# Altium PCB 主控板20160428.PcbDoc (continued)
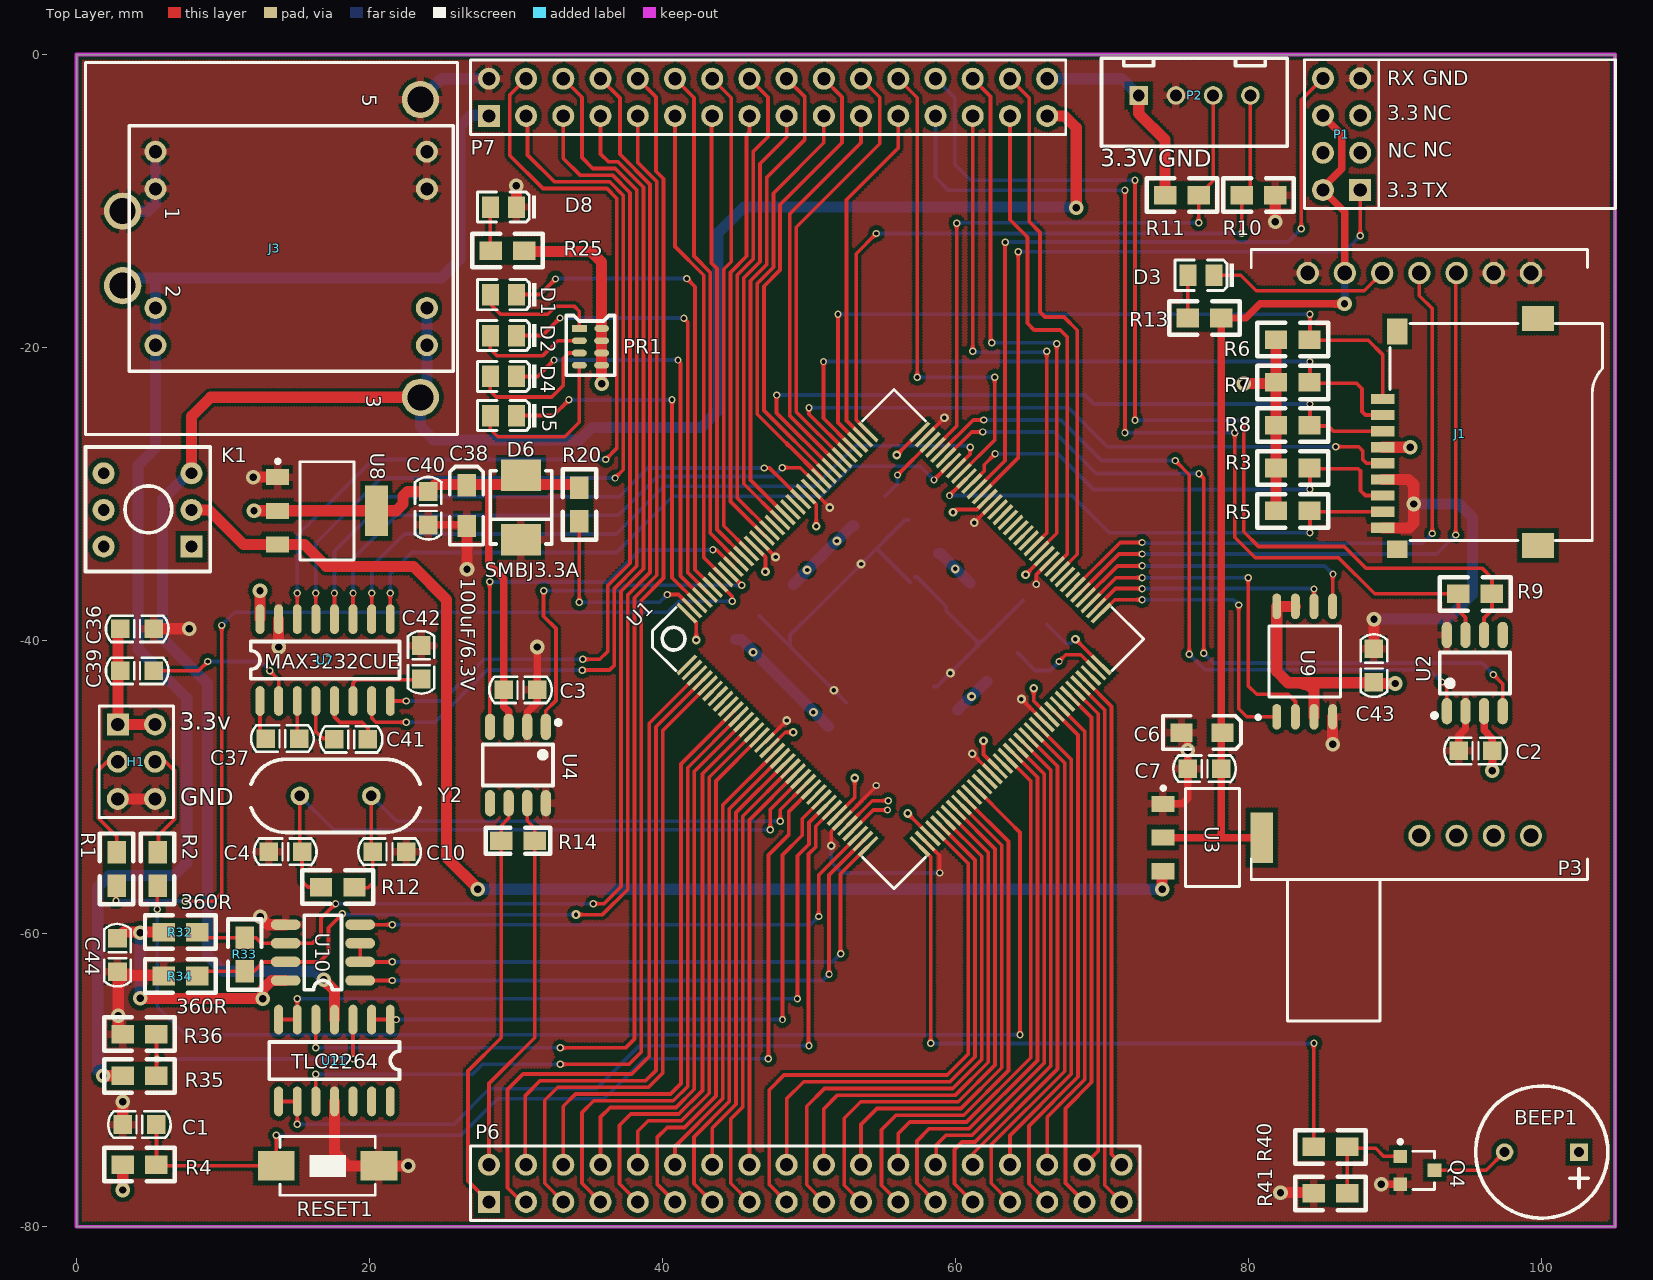
[diagram p0: Top Layer view]
## Nets (pads, with @x,y where several pads share a name; then routed paths per layer and width w, separated by ;. In a path a pad name is that pad's centre, name@x,y a point inside that pad or via, vN(x,y) a via of type N, cw(c..) or ccw(c..) an arc to the next point about the centre after c; other vN are vias at no path point) (continued)
  Bottom Layer w0.254: P7.25 58.623,-8.382 59.512,-9.271 v1(71.552,-9.271) ; v1@71.526,-25.832 v1(71.552,-25.806) v1(79.045,-25.806)
CAN_L: P7.26 R9.1 U2.6 | length 72.7
  Top Layer w0.254: v1(72.238,-24.968) v1(72.238,-8.585) ; v1(79.654,-24.968) 79.654,-32.563 80.67,-33.579 86.512,-33.579 87.986,-35.052 95.91,-35.052 96.596,-35.738 R9.1 96.596,-37.922 96.063,-38.456 U2.6@96.063,-39.385
  Bottom Layer w0.254: P7.26 59.944,-2.972 59.944,-7.518 61.011,-8.585 v1(72.238,-8.585) ; v1(72.238,-24.968) v1(79.654,-24.968)
CAN_RX: U1.103 U2.4 | length 55
  Top Layer w0.254: U1.103 61.091,-25.756 v1(61.849,-25.756) ; v1(76.606,-28.6) 76.937,-28.931 v1(76.937,-40.869) ; v1(96.698,-42.316) 97.333,-42.951 U2.4@97.333,-45.085
  Bottom Layer w0.254: v1(61.849,-25.756) 66.751,-25.756 69.596,-28.6 v1(76.606,-28.6) ; v1(76.937,-40.869) 77.597,-41.529 95.91,-41.529 v1(96.698,-42.316)
CAN_TX: U1.104 U2.1 | length 52.1
  Top Layer w0.254: U1.104 61.197,-24.943 v1(61.925,-24.943) ; v1(74.981,-27.711) 75.946,-28.677 v1(75.946,-40.919) ; v1(93.193,-42.824) 93.523,-43.155 U2.1@93.523,-45.085
  Bottom Layer w0.254: v1(61.925,-24.943) 67.183,-24.943 69.469,-27.229 69.952,-27.711 v1(74.981,-27.711) ; v1(75.946,-40.919) 77.013,-41.986 92.354,-41.986 v1(93.193,-42.824)
CLK: P6.27 U1.57 | length 35.9
  Top Layer w0.254: P6.27 59.919,-77.064 59.919,-74.727 60.427,-74.219 61.311,-74.219 66.493,-69.037 66.493,-48.828 U1.57
DATA: P6.26 U1.56 | length 33.4
  Top Layer w0.254: P6.26 58.674,-75.717 P6.26@58.674,-75.692 ; P6.26@58.623,-75.743 P6.26@58.674,-75.692 ; U1.56 66.036,-49.078 66.036,-68.847 61.122,-73.762 59.334,-73.762 58.674,-74.422 P6.26@58.674,-75.692
DJ1_KC1: P6.6 U1.10 | length 39.5
  Top Layer w0.254: P6.6 33.223,-71.78 34.061,-70.942 40.538,-70.942 41.25,-70.231 41.25,-48.426 U1.10
DJ1_KC2: P7.14 U1.132 | length 33.7
  Top Layer w0.254: P7.14 44.679,-2.946 44.679,-14.148 44.171,-14.656 44.171,-32.162 U1.132
DJ1_KC3: P7.13 U1.133 | length 31
  Top Layer w0.254: P7.13 43.332,-4.242 43.332,-14.224 43.713,-14.605 43.713,-32.412 U1.133
DJ2_KC1: P6.7 U1.11 | length 41.2
  Top Layer w0.254: P6.7 34.493,-77.038 34.493,-72.212 35.306,-71.399 40.728,-71.399 41.707,-70.42 41.707,-48.675 U1.11
DJ2_KC2: P7.16 U1.128 | length 33.1
  Top Layer w0.254: P7.16 47.193,-2.921 47.193,-5.613 46.189,-6.618 46.189,-13.956 45.085,-15.06 45.085,-30.249 U1.128
DJ2_KC3: P7.15 U1.129 | length 30.1
  Top Layer w0.254: P7.15 45.923,-5.283 45.731,-5.475 45.731,-13.767 44.628,-14.87 44.628,-30.498 U1.129
DJ3_KC1: P6.8 U1.12 | length 36.9
  Top Layer w0.254: P6.8 35.763,-72.517 36.424,-71.857 40.917,-71.857 42.164,-70.61 42.164,-48.925 U1.12
DJ3_KC2: P7.12 U1.134 | length 34.7
  Top Layer w0.254: P7.12 42.139,-2.946 42.139,-13.755 43.256,-14.873 43.256,-32.662 U1.134
DJ3_KC3: P7.11 U1.137 | length 32.8
  Top Layer w0.254: P7.11 40.843,-13.106 42.799,-15.062 42.799,-34.326 U1.137
DJ4_KC1: P6.9 U1.13 | length 38.5
  Top Layer w0.254: P6.9 37.059,-77.064 37.059,-73.076 37.821,-72.314 41.107,-72.314 42.723,-70.698 42.723,-49.08 42.717,-49.08 U1.13
DJ4_KC2: P7.18 U1.125 | length 32.8
  Top Layer w0.254: U1.125 47.56,-30.602 45.999,-29.042 45.999,-15.439 47.103,-14.335 47.103,-8.396 49.708,-5.791 49.708,-2.896 P7.18
DJ4_KC3: P7.17 U1.126 | length 29.8
  Top Layer w0.254: U1.126 45.542,-29.291 45.542,-15.249 46.646,-14.146 46.646,-7.456 48.463,-5.639 P7.17
DWQ1: P7.9 U11.5 | length 88.1
  Top Layer w0.254: v1(16.332,-67.793) U11.5 ; v1(33.02,-67.793) 37.465,-67.793 38.079,-67.179 38.079,-37.068 39.603,-35.544 39.603,-8.672 38.303,-7.373 P7.9
  Bottom Layer w0.254: v1(16.332,-67.793) v1(33.02,-67.793)
DWQ1_ADC: U1.28 U11.6 U11.7 | length 50.9
  Top Layer w0.254: U11.7 U11.6 v1(15.062,-64.44) ; v1(49.2,-64.44) 49.2,-54.684 49.991,-53.893 49.991,-52.412 U1.28
  Bottom Layer w0.254: v1(15.062,-64.44) v1(49.2,-64.44)
DWQ2: P7.10 U11.10 | length 92.5
  Top Layer w0.254: U11.10 v1(16.332,-69.596) ; v1(33.02,-68.91) 37.698,-68.91 38.536,-68.072 38.536,-37.258 40.06,-35.734 40.06,-8.483 39.548,-7.971 39.548,-2.896 P7.10
  Bottom Layer w0.254: v1(16.332,-69.596) 27.026,-69.596 27.711,-68.91 v1(33.02,-68.91)
DWQ2_ADC: U1.29 U11.8 U11.9 | length 56.7
  Top Layer w0.254: U11.8 U11.9 v1(15.062,-73) ; v1@49.962,-67.64 49.962,-54.569 50.448,-54.082 50.448,-52.662 U1.29
  Bottom Layer w0.254: v1(15.062,-73) 25.756,-73 28.169,-70.587 35.484,-70.587 38.43,-67.64 v1(49.987,-67.64)
F_CS: U1.73 U9.1 | length 19.8
  Top Layer w0.254: U1.73 70.849,-37.211 v1@72.669,-37.211 ; v1(79.324,-37.567) 79.324,-44.653 79.866,-45.195 U9.1
  Bottom Layer w0.254: v1@72.669,-37.211 78.969,-37.211 v1(79.324,-37.567)
  other v1: 72.72,-37.211
GND: C1.2 C2.2 C3.2 C4.1 C6.2 C7.1 C10.1 C13.2 C14.2 C19.1 C20.1 C21.1 C22.1 C23.1 C24.1 C25.1 C26.1 C27.1 C28.1 C29.1 C30.1 C36.1 C38.2 C40.1 C42.2 C43.2 C44.2 D6.2 D8.K H1.5 H1.6 J1.6 J1.9 J3.1 J3.5 P1.4 P2.2 P3.1 P3.6 P3.7 P7.2 Q4.1 R10.1 R34.1 R36.1 R41.1 RESET1.2 U1.16 U1.31 U1.38 U1.51 U1.61 U1.83 U1.94 U1.107 U1.120 U1.130 U2.2 U2.8 U3.1 U4.2 U4.8 U7.15 U8.1 U9.4 U10.5 U11.11 | length 165.5
  Top Layer w0.254: U1.130 v3(47.712,-34.29) v3@47.727,-34.29 ; U1.16 v3(48.47,-45.448) ; U1.120 v3(51.405,-30.912) v3@51.41,-30.912 ; v3@51.511,-54.026 v3(51.511,-54) 51.511,-53.013 U1.31 54.585,-49.94 v1(54.585,-49.886) ; U1.38 58.903,-54.673 v1(58.903,-55.855) ; U1.107 v3(59.233,-24.785) ; v3(61.138,-47.716) U1.51 ; v3(61.265,-31.946) U1.94 ; v3(64.486,-43.993) U1.61 ; v1(65.507,-36.144) 65.507,-35.482 U1.83
  Top Layer w0.508: C40.1 26.619,-32.106 C38.2@26.645,-32.131 ; U4.2 30.759,-44.907 31.445,-44.221 C3.2 v2(31.445,-40.437) ; U3.1 75.477,-51.142 75.844,-50.775 C7.1 v2(75.844,-47.473) 75.844,-46.787 C6.2@75.336,-46.279 ; v2(89.042,-77.099) Q4.1 ; C2.2 94.336,-46.482 94.793,-46.025 U2.2@94.793,-45.085
  Top Layer w0.762: H1.5 H1.6 ; R36.1@3.124,-66.802 2.845,-66.523 v2(2.845,-65.608) 2.845,-63.297 3.124,-63.017 2.946,-62.84 R34.1@5.918,-62.84 ; C1.2 v2(3.15,-71.476) ; C36.1 v2(7.696,-39.192) ; v2(12.054,-28.84) U8.1 ; v2(12.548,-58.852) 13.081,-59.385 U10.5 ; v2(13.792,-40.437) U7.15 ; U11.11 17.602,-74.93 18.517,-75.844 RESET1.2 v2(22.631,-75.844) ; v2@26.645,-35.052 C38.2@26.645,-32.156 ; D8.K v2(30.016,-8.953) ; v2(81.813,-11.405) R10.1 ; v2(82.169,-77.673) 84.404,-77.673 R41.1@84.379,-77.699 ; v2(85.725,-47.066) U9.4 ; C43.2 v2(88.544,-38.532) ; J1.9 90.938,-32.303 91.262,-31.979 v2(91.262,-30.67) 91.262,-29.362 90.902,-29.003 J1.6
  Bottom Layer w0.254: C30.1@46.609,-38.303 v3(51.689,-43.383) C21.1@52.553,-44.247 ; C19.1@48.692,-40.361 48.692,-39.624 C29.1 C28.1 v3(53.548,-34.768) 56.55,-31.766 C14.2 ; v3(51.511,-54) 51.511,-55.118 52.248,-55.855 v1(58.903,-55.855) ; C27.1 C26.1@56.883,-36.005 ; C26.1 57.353,-35.662 C25.1 59.36,-37.973 61.62,-40.234 ; C22.1 58.725,-43.129 v3(59.639,-42.215) 61.62,-40.234 ; C24.1 61.62,-40.234
  Bottom Layer w0.762: J3.1@3.15,-10.693 4.877,-10.693 5.385,-10.185 5.385,-9.169 J3.1@5.385,-6.629 ; J3.5@23.47,-3.073 24.892,-1.651 P7.2 ; v2(88.544,-38.532) 93.574,-38.532 95.275,-36.83 95.275,-31.598 94.348,-30.67 v2(91.262,-30.67)
  other v2: 26.645,-35.128
INPUT_1: P6.3 U1.3 | length 46.3
  Top Layer w0.254: P6.3 30.378,-78.308 29.413,-77.343 29.413,-70.637 30.48,-69.571 37.897,-69.571 39.091,-68.377 39.091,-45.635 U1.3
INPUT_2: P6.4 U1.4 | length 42.3
  Top Layer w0.254: P6.4 30.632,-75.717 30.632,-71.044 31.648,-70.028 38.848,-70.028 39.548,-69.328 39.548,-45.885 U1.4
INPUT_3: P6.5 U1.5 | length 44
  Top Layer w0.254: P6.5 31.953,-77.038 31.953,-71.374 32.842,-70.485 39.038,-70.485 40.005,-69.518 40.005,-46.135 U1.5
INPUT_4: P6.10 U1.14 | length 34.1
  Top Layer w0.254: P6.10 38.303,-73.482 39.014,-72.771 41.296,-72.771 43.18,-70.887 43.18,-49.324 U1.14
INPUT_5: P6.11 U1.15 | length 35.8
  Top Layer w0.254: P6.11 39.624,-77.089 39.624,-73.914 40.31,-73.228 41.485,-73.228 43.637,-71.076 43.637,-49.573 U1.15
INPUT_6: P6.12 U1.18 | length 30.9
  Top Layer w0.254: P6.12 40.843,-74.517 44.094,-71.266 44.094,-51.238 U1.18
INPUT_7: P6.13 U1.19 | length 33.2
  Top Layer w0.254: P6.13 42.139,-77.064 42.139,-73.868 44.552,-71.455 44.552,-51.487 U1.19
INPUT_8: P6.14 U1.20 | length 29.5
  Top Layer w0.254: P6.14 43.383,-73.27 45.009,-71.644 45.009,-51.737 U1.20
INPUT_9: P6.15 U1.21 | length 31.8
  Top Layer w0.254: P6.15 44.653,-77.038 44.653,-72.647 45.466,-71.834 45.466,-51.987 U1.21
INPUT_10: P6.16 U1.22 | length 28
  Top Layer w0.254: P6.16 45.923,-52.237 U1.22
INPUT_11: P6.17 U1.40 | length 38.9
  Top Layer w0.254: P6.17 47.269,-77.114 47.269,-70.663 48.285,-69.647 59.417,-69.647 60.858,-68.206 60.858,-55.214 U1.40
INPUT_12: P6.18 U1.41 | length 35.3
  Top Layer w0.254: P6.18 48.463,-71.272 49.632,-70.104 59.607,-70.104 61.316,-68.395 61.316,-54.964 U1.41
INPUT_13: P6.19 U1.42 | length 37.6
  Top Layer w0.254: P6.19 49.835,-77.14 49.835,-71.78 51.054,-70.561 59.796,-70.561 61.773,-68.584 61.773,-54.714 U1.42
INPUT_14: P6.20 U1.43 | length 34.3
  Top Layer w0.254: P6.20 51.003,-71.958 51.943,-71.018 59.985,-71.018 62.23,-68.774 62.23,-54.465 U1.43
INPUT_15: U1.50
INPUT_16: U1.53
INPUT_17: P6.24 U1.54 | length 34.4
  Top Layer w0.254: P6.24 56.083,-73.635 56.871,-72.847 60.743,-72.847 65.122,-68.469 65.122,-49.578 U1.54
INPUT_18: P6.25 U1.55 | length 36.9
  Top Layer w0.254: P6.25 57.353,-77.038 57.353,-74.143 58.191,-73.304 60.932,-73.304 65.579,-68.658 65.579,-49.328 U1.55
INPUT_19: P6.30 U1.60 | length 32.5
  Top Layer w0.254: P6.30 63.703,-73.766 67.894,-69.575 67.894,-48.108 U1.60
INPUT_20: P6.31 U1.63 | length 36
  Top Layer w0.254: P6.31 64.999,-77.064 64.999,-73.118 68.351,-69.765 68.351,-46.444 U1.63
INPUT_21: P6.32 U1.64 | length 33
  Top Layer w0.254: P6.32 66.243,-72.52 68.809,-69.954 68.809,-46.194 U1.64
INPUT_22: P6.33 U1.66 | length 36.4
  Top Layer w0.254: U1.66 69.266,-45.237 69.266,-70.144 67.488,-71.922 67.488,-77.013 P6.33
INPUT_23: P6.34 U1.67 | length 33.4
  Top Layer w0.254: U1.67 69.723,-44.987 69.723,-70.333 69.723,-74.828 P6.34
INPUT_24: P6.35 U1.68 | length 36.4
  Top Layer w0.254: U1.68 70.18,-44.737 70.18,-77.165 P6.35
LDAC: P6.29 U1.59 | length 35.5
  Top Layer w0.254: P6.29 62.433,-77.038 62.433,-74.39 67.437,-69.386 67.437,-48.358 U1.59
LED1: D1.K U1.139 | length 33.4
  Top Layer w0.254: D1.K@30.531,-16.383 31.623,-16.383 v1(32.69,-15.316) ; v1(41.656,-15.291) 42.215,-15.85 42.215,-35.156 U1.139
  Bottom Layer w0.254: v1(32.69,-15.316) 32.728,-15.278 v1@41.656,-15.278
LED2: D2.K U1.140 | length 30.8
  Top Layer w0.254: D2.K@30.531,-19.177 31.801,-19.177 v1(32.995,-17.983) ; v1(41.453,-18.009) 41.707,-18.263 41.707,-35.356 U1.140
  Bottom Layer w0.254: v1(32.995,-17.983) v1@41.453,-17.983
LED3: D4.K U1.141 | length 27.9
  Top Layer w0.254: D4.K@30.531,-21.971 31.471,-21.971 v1(32.588,-20.853) ; v1(41.046,-20.853) 41.224,-21.031 41.224,-35.58 U1.141
  Bottom Layer w0.254: v1(32.588,-20.853) 32.601,-20.841 v1@41.046,-20.841
LED4: D5.K U1.142 | length 25.1
  Top Layer w0.254: D5.K@30.531,-24.638 32.537,-24.638 v1(33.604,-23.571) ; v1(40.64,-23.571) 40.64,-35.703 U1.142
  Bottom Layer w0.254: v1(33.604,-23.571) v1(40.64,-23.571)
LOAD: P6.28 U1.58 | length 32.4
  Top Layer w0.254: P6.28 61.163,-75.013 66.95,-69.226 66.95,-48.578 U1.58
NetBEEP1_2: BEEP1.2 Q4.3 | length 5.3
  Top Layer w0.254: Q4.3 96.215,-76.149 BEEP1.2
NetC4_2: C4.2 R12.2 U1.23 Y2.2 | length 44.7
  Top Layer w0.254: Y2.2 15.24,-54.254 C4.2 15.392,-56.439 15.773,-56.82 R12.2 ; v1@47.346,-52.883 47.346,-51.522 U1.23
  Bottom Layer w0.254: Y2.2 17.551,-52.908 v1(47.346,-52.908)
NetC10_2: C10.2 R12.1 U1.24 Y2.1 | length 39.2
  Top Layer w0.254: R12.1@18.999,-56.871 19.888,-56.871 20.218,-56.54 C10.2 20.12,-54.308 Y2.1 ; v1(48.031,-52.324) 48.031,-51.543 U1.24
  Bottom Layer w0.254: Y2.1 21.847,-52.324 v1(48.031,-52.324)
NetC13_1: C13.1 U1.71 | length 6.7
  Top Layer w0.254: v1(67.056,-41.427) 67.513,-40.97 68.535,-40.97 U1.71
  Bottom Layer w0.254: C13.1@64.211,-40.818 65.43,-42.037 66.446,-42.037 v1(67.056,-41.427)
NetC14_1: C14.1 U1.106 | length 5
  Top Layer w0.254: v1(56.032,-28.693) U1.106
  Bottom Layer w0.254: C14.1 56.032,-29.286 v1(56.032,-28.693)
NetC37_1: C37.1 U7.1 | length 3.2
  Top Layer w0.254: U7.1 12.522,-46.761 C37.1@12.903,-47.142
NetC37_2: C37.2 U7.3 | length 3.1
  Top Layer w0.254: U7.3 15.062,-47.041 C37.2@15.215,-47.193
NetC39_1: C39.1 U7.2 | length 10.7
  Top Layer w0.254: C39.1 8.331,-42.062 v1(8.966,-41.427) ; v1(13.183,-42.062) 13.792,-42.672 U7.2
  Bottom Layer w0.254: v1(8.966,-41.427) 12.548,-41.427 v1(13.183,-42.062)
NetC41_1: C41.1 U7.4 | length 3.6
  Top Layer w0.254: U7.4 16.332,-46.203 16.815,-46.685 17.551,-46.685 C41.1
NetC41_2: C41.2 U7.5 | length 4.5
  Top Layer w0.254: U7.5 17.602,-45.217 17.978,-45.593 19.507,-45.593 19.888,-45.974 C41.2
NetC42_1: C42.1 U7.6 | length 6
  Top Layer w0.254: U7.6 18.872,-42.901 19.101,-42.672 C42.1@23.52,-42.672
NetD1_A: D1.A PR1.1 | length 8.6
  Top Layer w0.254: D1.A 28.245,-17.043 28.931,-17.729 32.156,-17.729 32.715,-17.17 33.96,-17.17 34.315,-17.526 PR1.1
NetD2_A: D2.A PR1.2 | length 7.6
  Top Layer w0.254: D2.A 28.245,-20.117 28.677,-20.549 31.826,-20.549 32.842,-19.533 PR1.2
NetD3_A: D3.A R13.2 | length 2.9
  Top Layer w0.254: R13.2 D3.A
NetD4_A: D4.A PR1.3 | length 9.6
  Top Layer w0.254: D4.A 28.245,-22.962 28.651,-23.368 32.436,-23.368 33.223,-22.581 33.223,-20.726 33.579,-20.371 PR1.3
NetD5_A: D5.A PR1.4 | length 11.5
  Top Layer w0.254: D5.A 28.245,-25.578 28.753,-26.086 33.325,-26.086 34.315,-25.095 PR1.4
NetD8_A: D8.A R25.2 | length 3
  Top Layer w0.254: D8.A 28.237,-13.353 R25.2
NetH1_3: H1.3 R1.2 | length 7.7
  Top Layer w0.254: R1.2 2.743,-53.365 1.473,-52.095 1.473,-48.87 2.083,-48.26 H1.3
NetH1_4: H1.4 R2.1 | length 7.6
  Top Layer w0.254: H1.4 6.071,-48.26 6.68,-48.87 6.68,-52.197 5.588,-53.289 R2.1@5.588,-54.407
NetK1_2: K1.2 U3.3 U8.3 | length 88.7
  Top Layer w0.762: K1.2@7.737,-31.039 K1.2@7.849,-31.039 ; K1.2 9.032,-31.079 11.393,-33.44 U8.3 13.719,-33.45 15.545,-33.45 17.046,-34.95 22.987,-34.95 25.248,-37.211 25.248,-54.788 27.381,-56.921 v2(27.381,-56.972) ; v2(74.092,-56.972) 74.092,-55.796 U3.3
  Bottom Layer w0.762: v2(27.381,-56.972) v2(74.092,-56.972)
NetQ4_2: Q4.2 R40.2 R41.2 | length 7.1
  Top Layer w0.254: R41.2 R40.2 86.817,-74.651 88.671,-74.651 89.22,-75.199 Q4.2
NetR20_1: R20.1 U1.143 | length 13.8
  Top Layer w0.254: v1(34.315,-37.389) R20.1 ; v1(40.31,-36.855) 41.085,-36.855 U1.143
  Bottom Layer w0.254: v1(34.315,-37.389) 39.776,-37.389 v1(40.31,-36.855)
NetR35_1: R35.1 R36.2 U11.3 | length 19
  Top Layer w0.254: R36.2 5.461,-66.878 R35.1@5.461,-69.757 ; v1(18.872,-68.555) U11.3
  Bottom Layer w0.254: v1(5.486,-68.555) v1(18.872,-68.555)
PA0_RS485_TX1: U1.34 U10.4 | length 38.1
  Top Layer w0.254: U10.4 v1(21.539,-59.385) ; v1(50.648,-58.826) 50.648,-55.998 U1.34
  Bottom Layer w0.254: v1(21.539,-59.385) 50.089,-59.385 v1(50.648,-58.826)
PA1_RS485_RX1: U1.35 U10.1 | length 42.2
  Top Layer w0.254: U10.1 v1(21.539,-63.195) ; v1(51.359,-62.763) 51.359,-55.994 U1.35
  Bottom Layer w0.254: v1(21.539,-63.195) 50.927,-63.195 v1(51.359,-62.763)
PA2_RS485_RE1: U1.36 U10.2 U10.3 | length 42.4
  Top Layer w0.254: U10.3 U10.2 v1(21.539,-61.925) ; v1(52.146,-61.366) 52.146,-55.914 U1.36
  Bottom Layer w0.254: v1(21.539,-61.925) 51.587,-61.925 v1(52.146,-61.366)
PA9_U1_TX: U1.101 U7.10 | length 49.7
  Top Layer w0.254: U7.10 v1(20.142,-36.754) ; U1.101 60.985,-27.275 v1(60.985,-26.797)
  Bottom Layer w0.254: v1(20.142,-36.754) 20.142,-34.932 22.359,-32.715 36.83,-32.715 40.081,-29.464 50.394,-29.464 53.157,-26.7 60.889,-26.7 v1(60.985,-26.797)
PA10_U1_RX: U1.102 U7.9 | length 45.3
  Top Layer w0.254: U7.9 v1(21.412,-36.754) ; v1(58.522,-29.032) U1.102
  Bottom Layer w0.254: v1(21.412,-36.754) 21.412,-35.458 22.885,-33.985 36.855,-33.985 40.691,-30.15 50.825,-30.15 52.883,-28.092 57.582,-28.092 v1(58.522,-29.032)
PA13-JTMS: P2.3 R11.2 U1.105 | length 41.5
  Top Layer w0.254: U1.105 60.071,-25.361 v1(60.071,-11.506) ; v1(76.581,-11.481) R11.2 77.572,-8.611 P2.3
  Bottom Layer w0.254: v1(60.071,-11.506) 60.096,-11.481 v1(76.581,-11.481)
PA14-JTCK: P2.4 R10.2 U1.109 | length 49
  Top Layer w0.254: U1.109 53.213,-24.941 53.213,-13.589 v1(54.585,-12.217) ; v1(79.527,-12.217) R10.2 80.112,-9.017 P2.4
  Bottom Layer w0.254: v1(54.585,-12.217) v1(79.527,-12.217)
PC6_U6_TX: P1.1 U1.96 | length 44.5
  Top Layer w0.254: U1.96 64.262,-27.534 v1(64.262,-13.462) ; v1(87.605,-12.37) P1.1
  Bottom Layer w0.254: v1(64.262,-13.462) 86.512,-13.462 v1(87.605,-12.37)
PC7_U6_RX: P1.8 U1.97 | length 49.2
  Top Layer w0.254: U1.97 63.373,-27.716 v1@63.373,-12.7 ; v1(83.591,-11.887) 83.591,-3.099 P1.8
  Bottom Layer w0.254: v1(63.373,-12.802) 82.677,-12.802 v1(83.591,-11.887)
PC8_SDIO_0: J1.7 R3.1 U1.98 | length 33.1
  Top Layer w0.254: U1.98 61.951,-28.432 61.951,-27.991 v1(62.687,-27.254) ; v1(84.176,-29.667) 84.176,-28.27 87.478,-28.27 87.63,-28.423 87.63,-29.769 87.964,-30.103 J1.7
  Bottom Layer w0.254: v1(62.687,-27.254) 66.98,-27.254 69.414,-29.689 84.154,-29.689 v1(84.176,-29.667)
PC9_SDIO_1: J1.8 R5.1 U1.99 | length 33.7
  Top Layer w0.254: v1(59.576,-30.099) U1.99 ; v1(84.176,-32.639) 84.176,-31.191 84.187,-31.203 J1.8
  Bottom Layer w0.254: v1(59.576,-30.099) 67.945,-30.099 70.485,-32.639 v1(84.176,-32.639)
PC10_SDIO_2: J1.1 R6.1 U1.111 | length 51.7
  Top Layer w0.254: v1(51.968,-17.729) 51.968,-25.111 U1.111 ; v1(84.176,-17.729) 84.176,-19.507 88.163,-19.507 89.138,-20.482 J1.1
  Bottom Layer w0.254: v1(51.968,-17.729) 68.758,-17.729 v1(84.176,-17.729)
PC11_SDIO_3: J1.2 R7.1 U1.112 | length 48.1
  Top Layer w0.254: v1(50.978,-20.955) 50.978,-24.828 U1.112 ; v1(84.176,-20.955) 84.176,-22.428 87.351,-22.428 87.732,-22.809 87.732,-24.359 87.976,-24.603 J1.2
  Bottom Layer w0.254: v1(50.978,-20.955) 69.139,-20.955 v1(84.176,-20.955)
PC12_SDIO_CK: J1.5 U1.113 | length 45.2
  Top Layer w0.254: v1(49.987,-24.105) 49.987,-24.544 U1.113 ; v1(85.928,-26.772) 87.503,-26.772 87.782,-27.051 87.782,-27.635 88.05,-27.903 J1.5
  Bottom Layer w0.254: v1(49.987,-24.105) 67.691,-24.105 70.358,-26.772 v1(85.928,-26.772)
PD2_SDIO_CMD: J1.3 R8.1 U1.116 | length 49.8
  Top Layer w0.254: v1(47.777,-23.241) 47.777,-24.456 U1.116 ; v1(84.176,-23.851) 84.176,-25.349 85.42,-25.349 85.774,-25.703 J1.3
  Bottom Layer w0.254: v1(47.777,-23.241) 68.834,-23.241 69.444,-23.851 v1(84.176,-23.851)
PD5_U2_TX: U1.119 U7.11 | length 38.8
  Top Layer w0.254: U7.11 v1(18.872,-36.754) ; v1(48.158,-28.194) 49.394,-28.194 U1.119
  Bottom Layer w0.254: v1(18.872,-36.754) 18.872,-34.406 21.833,-31.445 36.982,-31.445 39.628,-28.8 47.553,-28.8 v1(48.158,-28.194)
PD6_U2_RX: U1.122 U7.12 | length 39.7
  Top Layer w0.254: U7.12 v1(17.602,-36.754) ; v1(46.939,-28.219) 47.299,-28.219 48.209,-29.13 U1.122
  Bottom Layer w0.254: v1(17.602,-36.754) 17.602,-33.88 21.307,-30.175 37.033,-30.175 38.989,-28.219 v1(46.939,-28.219)
POWER_ADC: U1.27 U11.1 U11.2 | length 44.2
  Top Layer w0.254: U11.2 U11.1 v1(21.819,-65.862) ; v1(48.184,-65.862) 48.184,-54.635 49.534,-53.285 49.534,-52.162 U1.27
  Bottom Layer w0.254: v1(21.819,-65.862) v1(48.184,-65.862)
PWM1: P7.30 U1.81 | length 36.8
  Top Layer w0.254: P7.30 65.024,-2.972 65.024,-11.405 65.761,-12.141 65.761,-17.577 66.091,-17.907 67.386,-17.907 68.301,-18.821 68.301,-34.102 U1.81
PWM2: P7.29 U1.82 | length 33.8
  Top Layer w0.254: P7.29 63.703,-11.278 64.897,-12.471 64.897,-18.339 65.354,-18.796 67.132,-18.796 67.615,-19.279 67.615,-34.081 U1.82
PWM3: P7.28 U1.85 | length 37.8
  Top Layer w0.254: P7.28 62.382,-2.87 v1@62.382,-19.736 ; U1.85 66.904,-32.671 v1(66.904,-19.736)
  Bottom Layer w0.254: v1@62.382,-19.736 v1(62.455,-19.664) 66.831,-19.664 v1(66.904,-19.736)
PWM4: P7.27 U1.86 | length 34.8
  Top Layer w0.254: v1(61.163,-20.244) P7.27 ; U1.86 66.218,-32.65 v1(66.218,-20.244)
  Bottom Layer w0.254: v1(61.163,-20.244) 61.235,-20.316 66.146,-20.316 v1(66.218,-20.244)
QYG_KC1: P6.36 U1.69 | length 34.1
  Top Layer w0.254: U1.69 70.637,-44.487 70.637,-75.057 71.323,-75.743 P6.36
RESET: C1.1 R4.1 RESET1.1 U1.25 | length 68.4
  Top Layer w0.254: C1.1@5.461,-73.076 5.461,-75.819 5.486,-75.844 RESET1.1 v1(13.64,-73.762) ; C1.1@5.461,-72.72 C1.1@5.461,-72.695 ; v1@47.223,-68.529 47.223,-54.631 48.616,-53.238 48.616,-51.666 U1.25
  Bottom Layer w0.254: v1(13.64,-73.762) 26.238,-73.762 28.727,-71.272 36.017,-71.272 38.76,-68.529 v1(47.219,-68.529)
RS485_1A: P7.7 R32.1 R33.1 U10.6 | length 86.3
  Top Layer w0.254: R32.1@8.255,-59.944 8.585,-60.274 R33.1 12.243,-60.274 12.624,-60.655 U10.6 16.104,-60.655 16.688,-60.071 16.688,-58.953 v1(17.678,-57.963) ; v1(35.255,-57.963) 35.992,-57.963 37.164,-56.79 37.164,-36.623 38.688,-35.099 38.688,-9.051 36.953,-7.315 36.297,-7.315 35.763,-6.782 P7.7
  Bottom Layer w0.254: v1(17.678,-57.963) v1(35.255,-57.963)
RS485_1B: P7.8 R33.2 R34.2 U10.7 | length 90.3
  Top Layer w0.254: R34.2 8.56,-62.56 R33.2 12.116,-62.56 12.751,-61.925 U10.7 16.586,-61.925 17.196,-61.316 17.196,-59.588 v1(18.136,-58.649) ; v3(34.087,-58.699) 35.902,-58.699 37.621,-56.98 37.621,-36.879 39.145,-35.355 39.145,-8.862 37.084,-6.8 37.084,-2.972 P7.8
  Bottom Layer w0.254: v1(18.136,-58.649) 18.186,-58.699 v3(34.087,-58.699)
SPI2_MISO: U1.75 U9.2 | length 23.5
  Top Layer w0.254: U1.75 70.933,-35.712 v1(72.72,-35.712) ; v1(79.959,-35.712) 79.959,-43.078 80.543,-43.663 82.702,-43.663 83.185,-44.145 U9.2
  Bottom Layer w0.254: v1(72.72,-35.712) v1(79.959,-35.712)
SPI2_MOSI: U1.76 U9.5 | length 20.2
  Top Layer w0.254: U1.76 71.039,-34.9 v1(72.72,-34.9) ; U9.5 85.725,-35.484 v1(85.75,-35.458)
  Bottom Layer w0.254: v1(72.72,-34.9) 85.192,-34.9 v1(85.75,-35.458)
SPI2_SCK: U1.74 U9.6 | length 16.6
  Top Layer w0.254: U1.74 70.904,-36.449 v1(72.72,-36.449) ; U9.6 v1@84.455,-36.449
  Bottom Layer w0.254: v1(72.72,-36.449) 84.43,-36.449 v1(84.455,-36.474)
SSD_KC1: P7.24 U1.100 | length 33.7
  Top Layer w0.254: P7.24 57.379,-2.946 v1(57.379,-22.022) ; U1.100 62.662,-26.306 v1(62.662,-22.022)
  Bottom Layer w0.254: v1(57.379,-22.022) v1(62.662,-22.022)
SSD_KC2: P7.23 U1.110 | length 23.8
  Top Layer w0.254: U1.110 52.549,-24.984 52.549,-17.467 52.549,-9.91 56.083,-6.375 P7.23
SSD_KC3: P7.22 U1.114 | length 30
  Top Layer w0.254: U1.114 49.124,-24.388 49.124,-11.786 54.813,-6.096 54.813,-2.921 P7.22
TXX_KC1: P6.21 U1.44 | length 36.5
  Top Layer w0.254: P6.21 52.4,-77.165 52.4,-72.593 53.518,-71.476 60.175,-71.476 62.687,-68.963 62.687,-54.215 U1.44
TXX_KC2: P6.22 U1.45 | length 33
  Top Layer w0.254: P6.22 53.543,-73.025 54.635,-71.933 60.364,-71.933 63.144,-69.153 63.144,-53.965 U1.45
TXX_KC3: P6.23 U1.46 | length 35.4
  Top Layer w0.254: P6.23 54.94,-77.165 54.94,-73.381 55.931,-72.39 60.554,-72.39 63.602,-69.342 63.602,-53.715 U1.46
U1_RX: P7.5 U7.8 | length 56.6
  Top Layer w0.254: U7.8 v1(22.504,-44.12) ; P7.5 33.223,-7.087 34.366,-8.23 36.574,-8.23 37.774,-9.43 37.774,-34.72 36.25,-36.244 36.25,-40.738 35.712,-41.275 v1(34.544,-41.275)
  Bottom Layer w0.254: v1(22.504,-44.12) 24.968,-44.12 27.813,-41.275 v1(34.544,-41.275)
U1_TX: P7.6 U7.7 | length 63.1
  Top Layer w0.254: U7.7 20.142,-45.288 20.422,-45.568 v1(22.504,-45.568) ; P7.6 34.493,-2.921 34.493,-7.036 35.23,-7.772 36.763,-7.772 38.231,-9.24 38.231,-34.909 36.707,-36.433 36.707,-41.677 36.373,-42.012 v1(34.519,-42.012)
  Bottom Layer w0.254: v1(22.504,-45.568) 24.46,-45.568 28.016,-42.012 v1(34.519,-42.012)
U2_RX: P7.3 U7.13 | length 57.3
  Top Layer w0.254: U7.13 v1(16.332,-36.754) ; P7.3 30.785,-4.293 30.785,-6.858 32.614,-8.687 36.384,-8.687 37.317,-9.619 37.317,-28.342 v1(36.754,-28.905)
  Bottom Layer w0.254: v1(16.332,-36.754) 16.332,-33.354 20.781,-28.905 v1(36.754,-28.905)
U2_TX: P7.4 U7.14 | length 61.2
  Top Layer w0.254: U7.14 v1(15.062,-36.754) ; P7.4 29.566,-2.769 29.566,-6.883 31.826,-9.144 36.195,-9.144 36.859,-9.808 36.859,-26.895 v1(36.119,-27.635)
  Bottom Layer w0.254: v1(15.062,-36.754) 15.062,-32.828 20.255,-27.635 v1(36.119,-27.635)
U3_RX: P3.4 U1.78 | length 44.1
  Top Layer w0.254: U1.78 71.225,-33.299 v1(72.72,-33.299) ; P3.4 91.643,-16.459 92.532,-17.348 v1(92.532,-32.69)
  Bottom Layer w0.254: v1(72.72,-33.299) 72.767,-33.346 91.876,-33.346 v1(92.532,-32.69)
U3_TX: P3.5 U1.77 | length 45.1
  Top Layer w0.254: U1.77 71.145,-34.087 v1(72.72,-34.087) ; v1(94.132,-32.791) 94.132,-14.961 P3.5
  Bottom Layer w0.254: v1(72.72,-34.087) 92.837,-34.087 v1(94.132,-32.791)
VBAT: U1.6
VCC: J3.3 K1.3 P7.31 U11.4 | length 141.7
  Top Layer w0.762: K1.3 7.849,-24.689 9.144,-23.393 J3.3@23.47,-23.393 ; v2(16.866,-63.144) 17.602,-63.881 U11.4 ; J3.3@23.495,-23.393 J3.3@23.495,-23.292 ; P7.31 67.437,-4.191 68.224,-4.978 v2(68.224,-10.465)
  Bottom Layer w0.762: K1.3@7.737,-28.499 5.867,-30.368 5.867,-39.853 8.941,-42.926 8.941,-61.493 10.008,-62.56 16.281,-62.56 v2(16.866,-63.144) ; J3.3@23.909,-17.297 23.909,-19.837 23.909,-22.954 23.47,-23.393 23.47,-25.4 24.384,-26.314 34.315,-26.314 35.179,-25.451 42.647,-25.451 43.79,-24.308 43.79,-12.167 45.542,-10.414 v2@68.224,-10.414
VCC3.3: BEEP1.1 C2.1 C3.1 C19.2 C20.2 C21.2 C22.2 C23.2 C24.2 C25.2 C26.2 C27.2 C28.2 C29.2 C30.2 C36.2 C38.1 C39.2 C40.2 C43.1 C44.1 D6.1 H1.1 H1.2 J1.4 P2.1 P7.32 PR1.5 PR1.6 PR1.7 PR1.8 R3.2 R4.2 R5.2 R6.2 R7.2 R8.2 R11.1 R20.2 R25.1 R32.2 U1.17 U1.30 U1.32 U1.33 U1.39 U1.52 U1.62 U1.72 U1.84 U1.95 U1.108 U1.121 U1.131 U1.144 U2.3 U4.3 U7.16 U8.2 U8.4 U9.3 U9.7 U9.8 U10.8 | length 194.4
  Top Layer w0.254: U1.144 42.291,-38.768 v3(42.291,-39.954) ; U1.131 47.015,-34.3 v3(47.015,-35.306) ; U1.17 48.371,-46.253 v3(48.92,-46.253) ; U1.121 50.484,-30.698 v3(50.484,-32.196) v3@50.495,-32.207 ; U1.30 53.111,-50.706 v3(53.111,-49.378) ; U1.32 54.304,-50.927 v1(55.397,-50.927) ; U1.33 54.377,-51.562 v1(55.347,-51.562) ; v3(55.981,-27.33) U1.108 ; v3@56.693,-51.756 v3(56.728,-51.791) U1.39 ; v3(59.817,-31.242) 60.008,-31.051 61.452,-31.051 U1.95 ; v3(61.9,-46.838) 61.9,-47.77 U1.52 ; v3(64.772,-35.509) U1.84 ; v3(65.329,-43.256) 65.329,-44.128 U1.62 ; v3(68.174,-39.902) U1.72
  Top Layer w0.508: 28.118,-29.337 28.143,-29.362 28.143,-34.747 29.159,-35.763 C3.1 29.159,-44.501 29.489,-44.831 U4.3 ; U2.3 96.063,-46.126 96.622,-46.685 C2.1 v2(96.622,-48.87)
  Top Layer w0.762: C44.1 3.226,-59.893 R32.2 ; C36.2@2.972,-39.141 2.819,-39.294 H1.1 H1.2 ; v2(3.15,-77.495) R4.2 ; v2(4.343,-64.414) 12.675,-64.414 v2(12.7,-64.44) 12.7,-63.805 13.31,-63.195 U10.8 ; v2(12.116,-31.14) U8.2 U8.4 21.819,-31.14 22.276,-30.683 22.276,-30.124 22.581,-29.82 C40.2 24.486,-29.337 28.118,-29.337 34.087,-29.337 R20.2 ; U7.16 v2(12.522,-36.601) ; R25.1@30.582,-13.437 35.103,-13.437 35.839,-14.173 PR1.8 PR1.7 PR1.6 PR1.5 v2(35.839,-22.479) ; P2.1 72.492,-4.013 74.295,-5.817 R11.1 ; v2(79.654,-22.454) 81.788,-22.454 R7.2 ; R8.2@81.737,-25.425 R8.2 ; R5.2 R3.2 R8.2 ; R6.2@81.915,-19.507 R6.2 R7.2 ; U9.7 U9.8 81.915,-42.113 82.677,-42.875 83.998,-42.875 ; U9.3 84.455,-43.332 83.998,-42.875 ; C43.1@88.494,-42.875 83.998,-42.875 ; C43.1 88.621,-42.926 v2(89.992,-42.926) ; J1.4 v2(91.028,-26.803) ; R8.2 R7.2
  Bottom Layer w0.254: C24.2 67.513,-40.183 67.893,-40.183 v3(68.174,-39.902)
  Bottom Layer w0.762: v2(4.343,-64.414) v2(4.343,-59.944) ; C30.2@44.993,-39.92 45.374,-39.92 C20.2 C21.2 ; C29.2 C28.2 52.917,-32.166 C27.2 ; C26.2 58.97,-34.045 C25.2 ; C22.2 62.094,-42.79 C23.2 ; P7.32 71.349,-1.651 P2.1
  other v3: 50.292,-44.882 61.087,-43.815 46.177,-40.792 49.86,-35.179 59.969,-35.103 51.892,-33.198
VCC24: J3.2 P7.1 R35.2 | length 99.1
  Top Layer w0.762: v2(1.829,-69.698) 3.141,-69.698 R35.2 ; J3.2@2.616,-16.231 J3.2@3.175,-15.672 ; J3.2@3.048,-16.637 J3.2@3.175,-16.51
  Bottom Layer w0.762: v2(1.829,-69.698) 1.448,-69.317 1.448,-56.82 2.235,-56.032 6.655,-56.032 7.518,-55.169 7.518,-43.917 4.191,-40.589 4.191,-28.042 5.385,-26.848 5.385,-19.837 5.385,-17.297 5.385,-15.291 5.436,-15.24 ; J3.2@3.15,-15.773 3.683,-15.24 5.436,-15.24 ; P7.1 28.092,-4.14 26.924,-4.14 26.162,-4.902 26.162,-11.354 26.162,-13.97 24.892,-15.24 5.436,-15.24
pads on no net: J1.10 J1.11 J1.12 J1.13 K1.1 K1.4 K1.5 K1.6 P1.2 P1.3 P1.6 P3.0 U1.1 U1.2 U1.7 U1.8 U1.9 U1.26 U1.47 U1.49 U1.65 U1.70 U1.79 U1.80 U1.87 U1.88 U1.89 U1.90 U1.91 U1.92 U1.93 U1.123 U1.124 U1.127 U2.5 U4.5 U11.12 U11.13 U11.14

## Polygon pours and split planes (outlines as drawn)
GND on Top Layer "Top Layer-No Net" (hatched 90Degree grid 0.2 track 0.2, remove dead copper, pour order 6): 0,0 105,0 105,-80 0,-80 0,0
VCC3.3 on Bottom Layer "Top Layer-No Net" (hatched 90Degree grid 0.2 track 0.2, remove dead copper, pour order 8): 0,0 105,0 105,-80 0,-80 0,0

## Keep-outs
Keep-Out Layer:
  the board outline again, w0.254

## Silkscreen, mask and mechanical layers (free items; w line width, h text height)
Top Overlay:
  lines w0.2: 88.875,-10.516 105.029,-10.516 105.029,-0.356 88.875,-0.356
  text "RX" at 89.459,-2.083 h1
  text "GND" at 91.872,-2.108 h1
  text "3.3" at 89.459,-4.47 h1
  text "NC" at 91.872,-4.47 h1
  text "NC" at 91.897,-6.985 h1
  text "NC" at 89.484,-7.036 h1
  text "3.3V" at 69.85,-8.026 h2
  text "GND" at 73.812,-8.052 h2
  text "3.3" at 89.408,-9.728 h1
  text "TX" at 91.872,-9.728 h1
  text "3.3v" at 7.036,-46.482 h2
  text "GND" at 7.087,-51.638 h2
Bottom Overlay:
  text "IO板V1.2-20160928" at 26.568,-75.26 h2
  text "http://www.chenghe.info/" at 28.804,-77.851 h2

## Text inside footprints (layer, text, board x,y; h text height)
J3: Top Overlay "1" at 6.045,-10.414 h1 r270; Top Overlay "2" at 6.096,-15.748 h1 r270; Top Overlay "3" at 19.761,-23.266 h1 r270; Top Overlay "5" at 19.507,-2.718 h1 r270